# Allegro board FMDEMOD-Long.brd (continued)
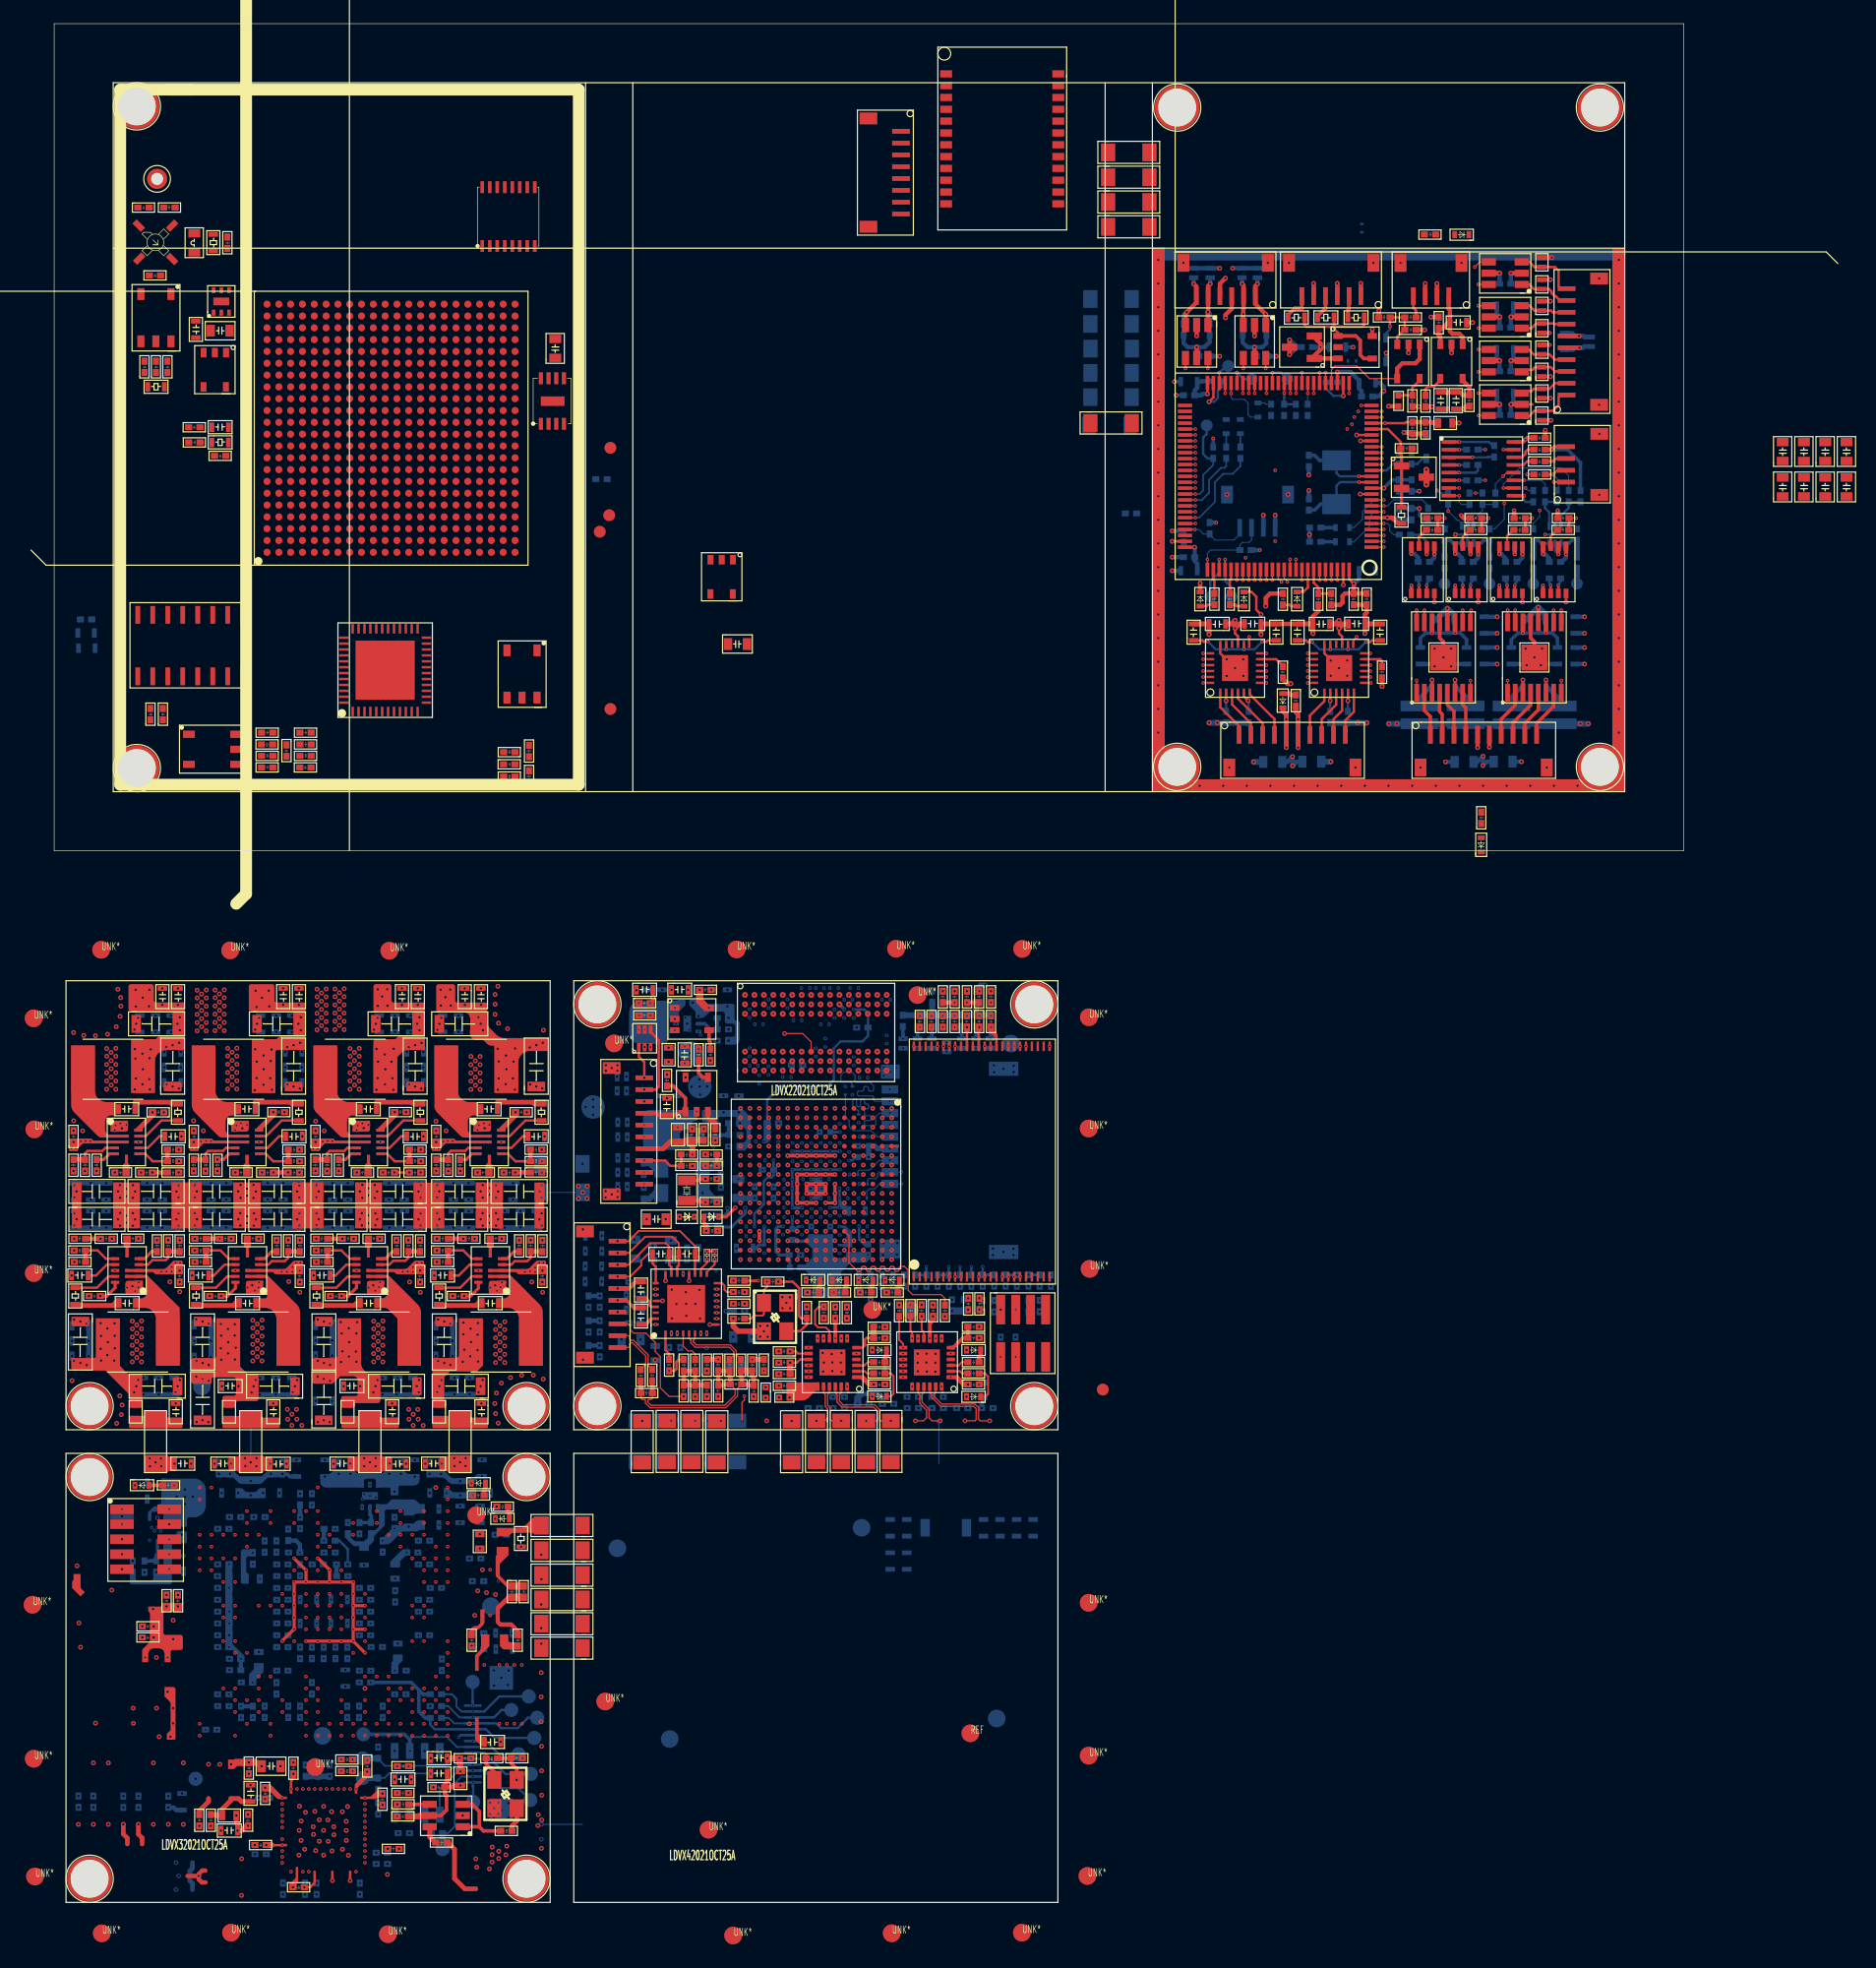
[diagram p0: board, top side]
## Placement (name value [footprint] x y rotation side) (continued)
R189  10K  [R0402]  98.1 44.6 270 bottom
R191  49.9  [R0402]  39.96 8.93 270 top
R192  33  [R0402]  39.03 8.6 180 top
R193  DNP  [R0402]  17.53 8.75 0 top
R194  33  [R0402]  21.77 9.25 180 top
R195  DNP  [R0402]  18.52 8.28 180 top
R196  33  [R0402]  21.77 8.28 180 top
R197  33  [R0402]  39.03 6.53 180 top
R198  49.9  [R0402]  39.96 6.78 270 top
R199  10K  [R0201]  66.35 -11.78 180 bottom
R200  10K  [R0201]  64.54 -11.48 0 bottom
R201  240  [R0201]  66.95 -12.45 0 bottom
R202  DNP  [R0402]  54.1 -13.1 180 bottom
R203  240  [R0201]  67.05 -13.49 270 bottom
R204  51.1K  [R0402]  56.13 -13.91 0 bottom
R205  47K  [R0402]  79.53 -13.91 270 bottom
R206  47K  [R0402]  78.31 -13.91 270 bottom
R207  47K  [R0402]  77.08 -13.91 270 bottom
R208  47K  [R0402]  74.6 -13.91 270 bottom
R209  47K  [R0402]  73.36 -13.91 270 bottom
R210  47K  [R0402]  72.12 -13.91 270 bottom
R211  470  [R0201]  65.58 -14.83 180 bottom
R212  40.2K  [R0402]  57.12 -15.36 180 bottom
R213  10K  [R0201]  70.65 -15.67 270 bottom
R214  51.1K  [R0402]  57.12 -16.33 180 bottom
R215  1.5K  [R0201]  64.63 -19.97 270 bottom
R216  1.5K  [R0201]  63.72 -20.58 90 bottom
R217  22  [R0201]  67.45 -20.6 90 bottom
R218  22  [R0201]  67.16 -19.99 270 bottom
R219  DNP  [R0402]  55.17 -22.52 180 bottom
R220  22  [R0201]  67.97 -22.97 90 bottom
R221  51.1K  [R0402]  57.1 -22.81 0 bottom
R222  40.2K  [R0402]  58.09 -24.3 180 bottom
R223  240  [R0201]  61.17 -25.27 90 bottom
R224  51.1K  [R0402]  58.09 -25.28 180 bottom
R225  100K  [R1206]  41.4 -25.7 0 bottom
R226  10K  [R0402]  56.21 -27.41 90 bottom
R227  JMP  [R1206]  51.56 -26.11 0 bottom
R228  1K  [R0402]  50.17 -26.42 270 bottom
R229  22  [R0201]  67.42 -27.24 0 bottom
R230  22  [R0201]  68.22 -28.04 0 bottom
R231  0  [R1206]  44.62 -29.71 180 bottom
R232  10K  [R0402]  56.71 -28.48 270 bottom
R233  JMP  [R1206]  51.56 -28.17 0 bottom
R234  1K  [R0402]  49.67 -29.47 90 bottom
R235  22  [R0201]  68.17 -29.25 0 bottom
R236  47K  [R0402]  84.15 -36.87 90 bottom
R237  47K  [R0402]  83.2 -36.87 90 bottom
R238  1K  [R0402]  82.75 -35.88 270 bottom
R239  47K  [R0402]  81.27 -36.87 90 bottom
R240  DNP  [R0402]  80.83 -35.88 270 bottom
R241  DNP  [R0402]  79.86 -35.88 270 bottom
R242  47K  [R0402]  78.38 -36.87 90 bottom
R243  47K  [R0402]  77.42 -36.87 90 bottom
R244  47K  [R0402]  76.47 -36.87 90 bottom
R245  DNP  [R0402]  75.51 -36.87 90 bottom
R246  47K  [R0402]  74.56 -36.87 90 bottom
R247  47K  [R0402]  73.61 -36.87 90 bottom
R248  DNP  [R0402]  72.66 -36.87 90 bottom
R249  47K  [R0402]  71.72 -36.87 90 bottom
R250  47K  [R0402]  70.79 -36.87 90 bottom
R251  47K  [R0402]  69.84 -36.87 90 bottom
R252  47K  [R0402]  68.88 -36.87 90 bottom
R253  47K  [R0402]  67.91 -36.87 90 bottom
R254  10K  [R0402]  46.44 -37.66 270 bottom
R255  10K  [R0402]  76.78 -38.95 90 bottom
R256  47K  [R0402]  68.88 -38.96 90 bottom
R257  10K  [R0402]  75.78 -38.96 90 bottom
R258  1K  [R0402]  83.7 -38.04 270 bottom
R259  47K  [R0402]  82.25 -39.03 90 bottom
R260  10K  [R0402]  81.29 -39.03 90 bottom
R261  47K  [R0402]  79.36 -39.03 90 bottom
R262  47K  [R0402]  78.38 -39.03 90 bottom
R263  0  [R0402]  58.48 -39.2 180 bottom
R264  10K  [R0402]  45.5 -39.76 270 bottom
R265  1K  [R0402]  70.36 -41.48 180 bottom
R266  1K  [R0402]  81.16 -42.13 90 bottom
R267  1K  [R0402]  79.9 -42.13 90 bottom
R268  10K  [R0402]  46.44 -41.86 270 bottom
R269  NC  [R0402]  45.5 -41.86 270 bottom
R270  1K  [R0402]  70.36 -44.47 180 bottom
R271  12.1K  [R0402]  74.32 -45.97 0 bottom
R272  12.1K  [R0402]  65.94 -45.97 0 bottom
R273  49.9  [R0402]  71.11 -47.06 180 bottom
R274  49.9  [R0402]  69.01 -47.06 180 bottom
R275  49.9  [R0402]  79.51 -47.42 180 bottom
R276  49.9  [R0402]  77.39 -47.42 180 bottom
R277  49.9  [R0402]  75.31 -47.42 180 bottom
R278  49.9  [R0402]  73.2 -47.42 180 bottom
R279  49.9  [R0402]  66.93 -47.42 180 bottom
R280  49.9  [R0402]  64.81 -47.42 180 bottom
R281  DNP  [R1206]  68.03 -51.61 90 bottom
R282  0  [R1206]  58.66 -48.39 270 bottom
R283  0  [R1206]  54.91 -51.61 90 bottom
R284  0  [R1206]  54.4 -48.39 270 bottom
R285  0  [R1206]  52.32 -48.39 270 bottom
R286  0  [R1206]  50.21 -48.39 270 bottom
R287  0  [R1206]  35.18 -48.41 270 bottom
R288  0  [R1206]  27.55 -48.41 270 bottom
R289  0  [R1206]  17.45 -48.41 270 bottom
R290  0  [R1206]  9.39 -48.41 270 bottom
R291  560  [R0603]  109.47 42.22 180 bottom
R292  DNP  [R0402]  28.57 -55.21 90 bottom
R293  10K  [R0402]  22.07 -54.4 270 bottom
R294  0  [R0402]  21.07 -54.4 270 bottom
R295  DNP  [R0402]  21.07 -56.4 270 bottom
R296  0  [R1206]  91.09 45.89 180 bottom
R297  1K,1%  [R0603]  105.99 45.54 180 top
R298  1K,1%  [R0603]  108.49 45.54 180 top
R299  1K,1%  [R0603]  111.05 45.54 180 top
R300  33  [R0603]  79.7 -58.1 90 bottom
R301  33  [R0603]  78.3 -58.1 90 bottom
R302  33  [R0603]  71.8 -58.1 90 bottom
R303  33  [R0603]  70.4 -58.1 90 bottom
R304  51.1K  [R0402]  27.08 -56.83 270 bottom
R305  40.2K  [R0402]  25.6 -57.82 90 bottom
R306  51.1K  [R0402]  24.63 -57.82 90 bottom
R307  DNP  [R0402]  23.81 -57.64 180 bottom
R308  DNP  [R0402]  14.92 50.97 90 top
R309  10K  [R0402]  106.4 37.8 270 bottom
R310  DNP  [R0402]  19.57 -58.39 90 bottom
R311  0  [R0402]  22.82 -58.13 0 bottom
R312  0  [R1206]  91.09 43.79 180 bottom
R313  0  [R0402]  19.83 -59.13 0 bottom
R314  DNP  [R0402]  23.89 -60.14 0 bottom
R315  51.1K  [R0402]  8.89 -60.08 270 bottom
R316  40.2K  [R0402]  7.39 -61.07 90 bottom
R317  51.1K  [R0402]  6.4 -61.07 90 bottom
R318  0  [R1206]  91.11 41.7 180 bottom
R319  0  [R0402]  24.88 -61.64 180 bottom
R320  560  [R0603]  114.5 27.6 90 top
R321  4.7K  [R0402]  117 52.4 180 top
R322  33  [R0402]  125 23.9 90 bottom
R323  10K  [R0402]  115.2 33.7 270 bottom
R324  DNP  [R0402]  125.5 27.25 270 bottom
R325  0  [R1206]  91.1 39.64 180 bottom
R327  6.8K  [R0402]  121.1 2.3 90 top
R328  10K  [R0402]  97.9 33.2 90 bottom
R329  33  [R0402]  121.3 23.9 90 bottom
R330  33  [R0402]  128.7 23.9 90 bottom
R331  DNP  [R0402]  121.8 27.25 270 bottom
R332  DNP  [R0402]  129.2 27.25 270 bottom
R333  0  [R1206]  91.09 37.59 180 bottom
R334  DNP  [R0402]  125 29.51 90 bottom
R335  0  [R0402]  118.3 30.29 270 bottom
R336  33  [R0402]  117.5 23.9 90 bottom
R338  DNP  [R0402]  118 27.25 270 bottom
R339  10  [R0402]  116.2 26.9 0 top
R340  10  [R0402]  127.3 26.9 0 top
R341  10  [R0402]  123.6 26.9 0 top
R342  10  [R0402]  119.9 26.9 0 top
R343  0  [R0402]  107.3 20.8 90 top
R344  DNP  [R0402]  108.4 20.8 90 top
R345  0  [R0402]  127.5 30.5 270 bottom
R346  DNP  [R0402]  126.5 30.5 270 bottom
R347  0  [R0402]  128.5 30.5 270 bottom
R348  DNP  [R0402]  129.5 30.5 270 bottom
R349  DNP  [R0402]  122.3 30.29 270 bottom
R350  0  [R0402]  121.2 30.29 270 bottom
R351  10K  [R0402]  21.57 -71.38 90 bottom
R352  1K  [R0402]  31.83 -71.14 0 bottom
R353  1K  [R0402]  31.83 -72.14 0 bottom
R355  10K  [R0402]  15.57 -73.37 90 bottom
R356  1K  [R0402]  31.83 -73.14 0 bottom
R357  10K  [R0402]  27.19 -76.82 90 bottom
R358  2.05K,1%  [R0402]  126.6 23.3 0 bottom
R359  2.05K,1%  [R0402]  122.9 23.3 0 bottom
R360  2.05K,1%  [R0402]  119.2 23.3 0 bottom
R361  2.05K,1%  [R0402]  115.5 23.3 0 bottom
R362  10K  [R0402]  27.69 -78.46 270 bottom
R363  0  [R0402]  103.8 15.6 270 top
R364  10  [R0603]  10.43 -81.28 90 bottom
R365  51  [R0402]  6.88 -80.97 90 bottom
R366  51  [R0402]  5.61 -80.97 90 bottom
R367  51  [R0402]  2.31 -79.99 270 bottom
R368  0  [R0402]  125.3 31.6 0 top
R369  DNP  [R0402]  119.6 29.3 90 bottom
R370  0  [R0402]  99.5 11.8 270 bottom
R371  DNP  [R0402]  125.3 33.7 0 top
R372  0  [R0402]  125.3 32.7 0 top
R373  0  [R0402]  101.4 11.8 270 bottom
R374  1K  [R0402]  104.3 20.8 90 top
R375  10K  [R0402]  32.9 -83.39 180 bottom
R376  0  [R1206]  91 35.2 180 bottom
R377  10K  [R0402]  100.9 44.6 270 bottom
R378  10K  [R0402]  102.9 44.6 270 bottom
R379  6.8K  [R0402]  104.9 13.2 270 top
REF  -  [unnamed#2]  77.58 -74.69 0 top
T1  M3295NL  [SMD-M3295NL]  75.3 67.8 270 top
T2  ETC1-1T-2TR  [SM-22]  10.52 47.02 180 top
T3  ETC1-1T-2TR  [SM-22]  41.53 16.86 180 top
T4  ETC1-1T-2TR  [SM-22]  11.51 10.5 270 top
TP1  T POINT R  [TP_SMD_CIR_1D0]  104.42 39.93 180 bottom
TP2  T POINT R  [TP_SMD_CIR_1D0]  101.42 39.93 180 bottom
TP3  T POINT R  [TP_THR_CIR_1D7_1D0]  8.71 56.86 0 top
TP4  T POINT R  [TP_SMD_CIR_1D0]  99.42 41.03 180 bottom
TP5  T POINT R  [TP_SMD_CIR_2D0]  50.22 -15.05 180 bottom
TP6  T POINT R  [TP_SMD_CIR_2D0]  53.89 -17.13 180 bottom
TP7  T POINT R  [TP_SMD_CIR_2D0]  54.67 -19.96 180 bottom
TP8  T POINT R  [TP_SMD_CIR_2D0]  45.64 -21.68 180 bottom
TP9  T POINT R  [TP_SMD_CIR_2D0]  51.46 -24.09 180 bottom
TP10  T POINT R  [TP_SMD_CIR_2D0]  65.38 -36.81 180 bottom
TP11  T POINT R  [TP_SMD_CIR_2D0]  11.07 -54.68 180 bottom
TP12  T POINT R  [TP_SMD_CIR_2D0]  5.74 -56.32 180 bottom
TP13  T POINT S  [TP_SMD_CIR_1D2]  35.44 -70.34 180 bottom
TP14  T POINT S  [TP_SMD_CIR_1D2]  40.19 -71.57 180 bottom
TP15  T POINT S  [TP_SMD_CIR_1D2]  38.7 -72.72 180 bottom
TP16  T POINT S  [TP_SMD_CIR_1D2]  40.9 -73.37 180 bottom
TP17  T POINT S  [TP_SMD_CIR_1D2]  26.19 -74.77 180 bottom
TP18  T POINT S  [TP_SMD_CIR_1D2]  40.66 -75.08 180 bottom
TP19  T POINT S  [TP_SMD_CIR_1D2]  39.32 -76.46 180 bottom
TP20  T POINT S  [TP_SMD_CIR_1D2]  26.12 -76.81 180 bottom
TP21  T POINT S  [TP_SMD_CIR_1D2]  40.37 -78.13 180 bottom
TP22  T POINT S  [TP_SMD_CIR_1D2]  26.13 -78.48 180 bottom
TP23  T POINT S  [TP_SMD_CIR_1D2]  11.98 -78.54 180 bottom
TP24  T POINT S  [TP_SMD_CIR_1D2]  40.32 -80.34 180 bottom
TP25  T POINT S  [TP_SMD_CIR_1D2]  35.48 -80.5 180 bottom
TP26  T POINT S  [TP_SMD_CIR_1D2]  32.89 -84.5 180 bottom
TP27  T POINT R  [SCREW-M3]  7 63 0 top
TP28  T POINT R  [SCREW-M3]  7 7 0 top
TP29  T POINT R  [SCREW-M3]  3 -47 0 top
TP30  T POINT R  [SCREW-M3]  40 -47 0 top
TP31  T POINT R  [SCREW-M3]  46 -13 0 top
TP32  T POINT R  [SCREW-M3]  83 -13 0 top
TP33  T POINT R  [SCREW-M3]  46 -47 0 top
TP34  T POINT R  [SCREW-M3]  83 -47 0 top
TP35  T POINT R  [SCREW-M3]  95.1 62.9 0 top
TP36  T POINT R  [SCREW-M3]  130.9 62.9 0 top
TP37  T POINT R  [SCREW-M3]  95.1 7.1 0 top
TP38  T POINT R  [SCREW-M3]  130.9 7.1 0 top
TP39  T POINT R  [SCREW-M3]  40 -87 0 top
TP40  T POINT R  [SCREW-M3]  3 -87 0 top
TP41  T POINT R  [SCREW-M3]  3 -53 0 top
TP42  T POINT R  [SCREW-M3]  40 -53 0 top
TP43  T POINT R  [TP_SMD_CIR_1D0]  97.6 36 180 bottom
TP44  T POINT R  [TP_SMD_CIR_1D0]  47.1 34.1 0 top
TP45  T POINT R  [TP_SMD_CIR_1D0]  88.8 -45.6 0 top
TP46  T POINT R  [TP_SMD_CIR_1D0]  47.1 12 0 top
TP47  T POINT R  [TP_SMD_CIR_1D0]  99.7 21.5 180 bottom
TP48  T POINT R  [TP_SMD_CIR_1D0]  97.9 21.5 180 bottom
TP49  T POINT R  [TP_SMD_CIR_1D0]  47 28.4 0 top
TP50  T POINT R  [TP_SMD_CIR_1D0]  46.2 27 0 top
TP51  T POINT R  [TP_SMD_CIR_1D0]  117.75 22.6 180 bottom
TP52  T POINT R  [TP_SMD_CIR_1D0]  128.95 22.6 180 bottom
TP53  T POINT R  [TP_SMD_CIR_1D0]  125.25 22.6 180 bottom
TP54  T POINT R  [TP_SMD_CIR_1D0]  121.55 22.6 180 bottom
U1  SGM2028-3.3  [SOT-23-5]  54 -14.24 270 top
U2  NT5CC256M16EP-EK  [VFBGA-96]  58.5 -18.6 90 top
U3  SN74LVC2G34DRL  [SOT-6]  49.51 -16.61 90 top
U4  SY6280AAAC  [SOT-23-5]  54.41 -20.63 0 top
U5  MP2326GD  [QFN-14]  6.12 -24.65 0 top
U6  MP2326GD  [QFN-14]  16.33 -24.65 0 top
U7  MP2326GD  [QFN-14]  26.61 -24.65 0 top
U8  MP2326GD  [QFN-14]  36.85 -24.65 0 top
U9  MT29F4G08ABADAWP-IT  [TSOP-48]  78.6 -26.3 90 top
U10  MCIMX6Y2CVM05AB  [MAPBGA-289]  70.92 -21.8 270 top
U11  MP2326GD  [QFN-14]  6.17 -35.52 180 top
U12  MP2326GD  [QFN-14]  16.36 -35.52 180 top
U13  MP2326GD  [QFN-14]  26.61 -35.52 180 top
U14  MP2326GD  [QFN-14]  36.93 -35.52 180 top
U15  WM8960CGEFL/V  [QFN-32]  53.52 -38.34 90 top
U16  LAN8720Ai-CP-TR  [QFN-24]  65.9 -43.3 180 top
U17  LAN8720Ai-CP-TR  [QFN-24]  73.9 -43.3 180 top
U18  TPA711  [MSOP-8-PAD]  41.22 39.75 0 top
U19  STM32F103VET6  [LQFP-100]  103.66 31.69 90 top
U20  EP4CE40F23I7  [FBGA-484]  18.02 25.26 90 top
U21  SGM2028-3.3  [SOT-23-5]  118.33 41.41 180 top
U22  MCP6001T-I/OT  [SOT-23-5]  114.69 41.41 180 top
U23  SGM2028-3.3  [SOT-23-5]  13.61 40.71 180 top
U24  PCM1754  [SSOP-16]  40.95 50.58 90 top
U25  SN74LVC2G34DBVR  [SOT-23-6]  102.6 44.5 270 top
U26  DRV8848PWPR  [HTSSOP-16]  117.65 16.36 90 top
U27  DRV8848PWPR  [HTSSOP-16]  125.35 16.36 90 top
U28  DRV8846RGER  [VQFN-24]  108.81 15.46 90 top
U29  SGM2028-3.3  [SOT-23-5]  56.53 23.18 180 top
U30  AD8306AR  [SO-16]  11.53 17.36 180 top
U31  SN74LVC2G34DBVR  [SOT-23-6]  97.7 44.5 270 top
U32  SN74LVC2G34DBVR  [SOT-23-6]  34.6 -82.6 180 top
U33  LTC2207  [QFN-48]  28.03 15.29 90 top
U34  TPS74601PBQWDRVRQ1  [WSON-6]  53.61 -14.64 180 bottom
U35  TPS74601PBQWDRVRQ1  [WSON-6]  54.67 -24.1 180 bottom
U36  TPS74601PBQWDRVRQ1  [WSON-6]  26.74 -54.59 90 bottom
U37  MCP6001T-I/OT  [SOT-23-5]  110.17 42.62 270 top
U38  TPS74601PBQWDRVRQ1  [WSON-6]  14.15 46.49 90 top
U39  TL431AIDBZT  [SOT-23-3]  113.8 30.1 0 top
U40  TL431AIDBZT  [SOT-23-3]  107.01 44.14 180 top
U41  SN74LVC2G34DRL  [SOT-6]  127.6 26 90 bottom
U42  SN74LVC2G34DRL  [SOT-6]  119.2 27.51 270 bottom
U43  AD8226ARMZ  [MSOP-8]  125.45 21.2 0 top
U44  AD8226ARMZ  [MSOP-8]  121.76 21.2 0 top
U45  AD8226ARMZ  [MSOP-8]  118.01 21.2 0 top
U46  AD8226ARMZ  [MSOP-8]  114.3 21.2 0 top
U47  SP3232EEY  [TSSOP-16]  123.6 34.6 270 top
U48  DRV8846RGER  [VQFN-24]  100 15.46 90 top
U49  EPCQ16ASI8N  [SO-8]  32.65 -76.18 180 bottom
U50  SN74LVC2G34DBVR  [SOT-23-6]  124.28 44.23 180 top
U51  SN74LVC2G34DBVR  [SOT-23-6]  124.28 47.93 180 top
U52  SN74LVC2G34DBVR  [SOT-23-6]  124.28 36.83 180 top
U53  SN74LVC2G34DBVR  [SOT-23-6]  124.28 40.53 180 top
UNK3VBATTERY1  COIN_3V  [C0805]  51.98 -30.56 180 top
UNK*  -  [unnamed#2]  87.61 -76.58 0 top
UNK*#2  -  [unnamed#2]  22.1 -77.54 0 top
UNK*#3  -  [unnamed#2]  28.38 -8.46 0 top
UNK*#4  -  [unnamed#2]  87.69 -35.38 0 top
UNK*#5  -  [unnamed#2]  28.26 -91.69 0 top
UNK*#6  -  [unnamed#2]  57.5 -91.8 0 top
UNK*#7  -  [unnamed#2]  46.66 -72 0 top
UNK*#8  -  [unnamed#2]  -1.75 -14.18 0 top
UNK*#9  -  [unnamed#2]  81.95 -91.56 0 top
UNK*#10  -  [unnamed#2]  4.03 -91.62 0 top
UNK*#11  -  [unnamed#2]  -1.84 -63.81 0 top
UNK*#12  -  [unnamed#2]  55.41 -82.85 0 top
UNK*#13  -  [unnamed#2]  69.28 -38.86 0 top
UNK*#14  -  [unnamed#2]  73.11 -12.21 0 top
UNK*#15  -  [unnamed#2]  87.5 -86.76 0 top
UNK*#16  -  [unnamed#2]  47.41 -16.3 0 top
UNK*#17  -  [unnamed#2]  71.3 -8.29 0 top
UNK*#18  -  [unnamed#2]  87.61 -63.64 0 top
UNK*#19  -  [unnamed#2]  87.61 -23.51 0 top
UNK*#20  -  [unnamed#2]  -1.73 -35.74 0 top
UNK*#21  -  [unnamed#2]  35.74 -56.23 0 top
UNK*#22  -  [unnamed#2]  -1.73 -76.84 0 top
UNK*#23  -  [unnamed#2]  14.9 -8.43 0 top
UNK*#24  -  [unnamed#2]  -1.63 -86.81 0 top
UNK*#25  -  [unnamed#2]  87.62 -14.09 0 top
UNK*#26  -  [unnamed#2]  3.97 -8.38 0 top
UNK*#27  -  [unnamed#2]  -1.68 -23.58 0 top
UNK*#28  -  [unnamed#2]  57.79 -8.35 0 top
UNK*#29  -  [unnamed#2]  81.97 -8.3 0 top
UNK*#30  -  [unnamed#2]  70.92 -91.61 0 top
UNK*#31  -  [unnamed#2]  14.97 -91.56 0 top
UNK*#32  -  [unnamed#2]  57.79 -8.35 180 bottom
UNK*#33  -  [unnamed#2]  87.6 -23.5 180 bottom
UNK*#34  -  [unnamed#2]  -1.84 -63.81 180 bottom
UNK*#35  -  [unnamed#2]  87.5 -86.75 180 bottom
UNK*#36  -  [unnamed#2]  52.12 -75.17 180 bottom
UNK*#37  -  [unnamed#2]  -1.74 -14.18 180 bottom
UNK*#38  -  [unnamed#2]  -1.73 -35.74 180 bottom
UNK*#39  -  [unnamed#2]  26.65 -30.04 180 bottom
UNK*#40  -  [unnamed#2]  3.97 -8.38 180 bottom
UNK*#41  -  [unnamed#2]  81.95 -91.56 180 bottom
UNK*#42  -  [unnamed#2]  81.01 -16.32 180 bottom
UNK*#43  -  [unnamed#2]  79.81 -73.44 180 bottom
UNK*#44  -  [unnamed#2]  71.29 -8.29 180 bottom
UNK*#45  -  [unnamed#2]  -1.73 -76.84 180 bottom
UNK*#46  -  [unnamed#2]  87.68 -35.38 180 bottom
UNK*#47  -  [unnamed#2]  28.38 -8.47 180 bottom
UNK*#48  -  [unnamed#2]  28.26 -91.69 180 bottom
UNK*#49  -  [unnamed#2]  87.61 -76.58 180 bottom
UNK*#50  -  [unnamed#2]  4.03 -91.62 180 bottom
UNK*#51  -  [unnamed#2]  87.61 -63.64 180 bottom
UNK*#52  -  [unnamed#2]  68.38 -57.29 180 bottom
UNK*#53  -  [unnamed#2]  87.63 -14.09 180 bottom
UNK*#54  -  [unnamed#2]  81.97 -8.3 180 bottom
UNK*#55  -  [unnamed#2]  72.47 -38.84 180 bottom
UNK*#56  -  [unnamed#2]  57.49 -91.8 180 bottom
UNK*#57  -  [unnamed#2]  22.73 -74.91 180 bottom
UNK*#58  -  [unnamed#2]  12.5 -45.33 180 bottom
UNK*#59  -  [unnamed#2]  -1.62 -86.81 180 bottom
UNK*#60  -  [unnamed#2]  16.31 -30.04 180 bottom
UNK*#61  -  [unnamed#2]  14.97 -91.56 180 bottom
UNK*#62  -  [unnamed#2]  47.7 -59.03 180 bottom
UNK*#63  -  [unnamed#2]  70.92 -91.61 180 bottom
UNK*#64  -  [unnamed#2]  36.99 -63.94 180 bottom
UNK*#65  -  [unnamed#2]  14.9 -8.43 180 bottom
UNK*#66  -  [unnamed#2]  -1.68 -23.58 180 bottom
Y1  32.768KHz  [FC-12M]  54.18 -29.81 90 top
Y2  24MHz  [TSX-3225-4P]  59.8 -37.83 270 top
Y3  8MHz  [CRY5032]  110.1 33.7 270 bottom
Y4  KC3225A49.1520C30E00  [TSX-3225-4P]  36.97 -78.2 270 top

## Library data of the parts
A1 = ERA-2SM
C1-C21 C23-C82 C84-C96 C98-C135 C137 C140-C142 C144 C147 C148 C150-C152 C154 C156 C163 C165-C167 C169 C170 C174 C177-C181 C184-C188 C190-C194 C196 C198-C202 C204-C210 C212-C214 C217 C218 C245-C478 C480-C491 C496-C524 C526 C527 C529-C531 C533 C534 C539-C545 C548-C552 C554-C559 C561-C572 C574 C575 C577-C603 C607-C616 C637-C643 C648 C649 = CAP NP
C22 C136 C138 C139 C143 C145 C146 C149 C153 C155 C157-C162 C164 C168 C171-C173 C175 C176 C189 C203 C211 C215 C216 C221 C479 C492-C495 C525 C532 C535-C538 C546 C553 C573 C604-C606 C644-C647 = CAP NP: signal model: DEFAULT_CAPACITOR_100000pF_2_1
C83 C97 = CAP
C219 C242 C243 C617 = CAP NP: signal model: DEFAULT_CAPACITOR_1e+06pF_2_1
C220 C222 C244 = CAP NP: signal model: DEFAULT_CAPACITOR_8.200000pF_2_1
D1 D2 = RB521S-30
D3-D17 D19-D21 D41-D43 D56 = LED
D18 D40 = 1N4148WT
D22 D24-D39 D44 D45 D47-D50 D52-D55 = DIODE BI-DIR TRIG
J1 J2 = HEADER1X10
J3 = HEADER-2X4
J4 = HEADER-2X5P
J5 = MicroSDSlot
J6 = HEADER1X8_0
J7 J15 = HEADER1x6_1
J9 = FPC-14P-0.5
J14 J18 J19 = HEADER-1X10
J16 J20 J21 = HEADER-1X4
L1 L6 L11-L18 L20-L41 = BEAD
L2-L5 L7-L10 = INDUCTOR
L19 = INDUCTOR: signal model: DEFAULT_INDUCTOR_1000nH_2_1
R1-R9 R21 R48 R73 R74 R79-R85 R90-R100 R107 R108 R121-R128 R199-R201 R203 R205-R211 R213 R215-R218 R220 R223 R226 R228-R230 R232 R234 R236-R280 R300-R303 = R_2
R10-R20 R22-R47 R49-R72 R75-R78 R86-R89 R101-R106 R109-R117 R119 R120 R129-R141 R143-R147 R149-R154 R156 R157 R166 R167 R169-R173 R176-R178 R180-R184 R186-R189 R202 R204 R212 R214 R219 R221 R222 R224 R225 R227 R231 R233 R281-R293 R296-R299 R304-R306 R308 R309 R312 R315-R318 R320-R325 R327-R336 R338-R351 R355 R357-R363 R368-R379 = R
R142 R191 R198 = R: signal model: DEFAULT_RESISTOR_49.900000OHM_2_1
R148 R161 R162 R185 R364-R367 = R: signal model: DEFAULT_RESISTOR_39.000000OHM_2_1
R174 R192-R197 R294 R295 R307 R310 R311 R313 R314 R319 R352 R353 R356 = R: signal model: DEFAULT_RESISTOR_22.000000OHM_2_1
R235 = R_2: signal model: R_R0201_DISCRETE_22_22
T1 = M3295NL
T2-T4 = ADT2-1T+_0
TP1-TP12 TP27-TP54 = T POINT R
TP13-TP26 = T POINT S
U1 U21 U23 U29 = SGM2028-3.3
U2 = NT5CC256M16EP-EK
U3 U25 U31 U41 U42 U50-U53 = SN74LVC2G34DRL
U4 = SY6280AAAC
U5-U8 U11-U14 = MP2326GD
U9 = MT29F4G08ABADAWP-IT_0
U10 = MCIMX6Y2CVM05AB_0
U15 = WM8960_0
U16 U17 = LAN8720A
U18 = TPA711
U19 = STM32F103VET6
U20 = EP4CE40F23I7_6
U22 U37 = MCP6001T-I/OT
U24 = PCM1754
U26 U27 = DRV8848PWPR
U28 U48 = DRV8846RGER
U30 = AD8306AR_0
U32 = SN74LVC2G34DBV
U33 = LTC2207
U34-U36 U38 = TPS74601PBQWDRVRQ1
U39 U40 = TL431AIDBZT
U43-U46 = AD8226ARMZ
U47 = SP3232EEY
U49 = EPCS4SI8N_0
UNK3VBATTERY1 = BATTERY
Y1 Y3 = CRYSTAL
Y2 = Crystal
Y4 = OSCILLATOR

## Footprints (pads in the part's own frame, mm; a bottom-side part is the same pattern mirrored in y, then rotated)
C0201
  rect 0.2x0.3 smd: 1(-0.05,0.15) 2(0.65,0.15)
C0402
  rect 0.6x0.5 smd: 1(0.01,0.25) 2(0.97,0.25)
C0603
  rect 0.4x0.8 smd: 1(0.1,0.4) 2(1.5,0.4)
C0805
  rect 0.7x1 smd: 1(0.2,0.62) 2(1.8,0.62)
C1206
  rect 0.8x1.5 smd: 1(-0.15,0.79) 2(3.35,0.79)
CD54-IND-2P
  rect 2x4 smd: 1(0,2.54) 2(5.08,2.54)
CRY5032
  rect 1.7x2.4 smd: 1(0.66,1.51) 2(4.36,1.51)
DF1006
  rect 0.4x0.8 smd: 1(0.1,0.3) 2(0.9,0.3)
ERA-2SM
  rect 1x0.5 smd: 1(-2,0) 3(2,0)
  rect 0.5x1 smd: 2(0,-1.945) 4(0,2)
FB0402
  rect 0.5x0.5 smd: 1(0.05,0.24) 2(0.95,0.24)
FB0603
  rect 0.5x0.8 smd: 1(0.2,0.4) 2(1.4,0.4)
FBGA-484
  round 0.6 smd: A1(0,0) A2(1,0) A3(2,0) A4(3,0) A5(4,0) A6(5,0) A7(6,0) A8(7,0) A9(8,0) A10(9,0) A11(10,0) A12(11,0) A13(12,0) A14(13,0) A15(14,0) A16(15,0) A17(16,0) A18(17,0) A19(18,0) A20(19,0) A21(20,0) A22(21,0) AA1(0,-20) AA2(1,-20) AA3(2,-20) AA4(3,-20) AA5(4,-20) AA6(5,-20) AA7(6,-20) AA8(7,-20) AA9(8,-20) AA10(9,-20) AA11(10,-20) AA12(11,-20) AA13(12,-20) AA14(13,-20) AA15(14,-20) AA16(15,-20) AA17(16,-20) AA18(17,-20) AA19(18,-20) AA20(19,-20) AA21(20,-20) AA22(21,-20) AB1(0,-21) AB2(1,-21) AB3(2,-21) AB4(3,-21) AB5(4,-21) AB6(5,-21) AB7(6,-21) AB8(7,-21) AB9(8,-21) AB10(9,-21) AB11(10,-21) AB12(11,-21) AB13(12,-21) AB14(13,-21) AB15(14,-21) AB16(15,-21) AB17(16,-21) AB18(17,-21) AB19(18,-21) AB20(19,-21) AB21(20,-21) AB22(21,-21) B1(0,-1) B2(1,-1) B3(2,-1) B4(3,-1) B5(4,-1) B6(5,-1) B7(6,-1) B8(7,-1) B9(8,-1) B10(9,-1) B11(10,-1) B12(11,-1) B13(12,-1) B14(13,-1) B15(14,-1) B16(15,-1) B17(16,-1) B18(17,-1) B19(18,-1) B20(19,-1) B21(20,-1) B22(21,-1) C1(0,-2) C2(1,-2) C3(2,-2) C4(3,-2) C5(4,-2) C6(5,-2) C7(6,-2) C8(7,-2) C9(8,-2) C10(9,-2) C11(10,-2) C12(11,-2) C13(12,-2) C14(13,-2) C15(14,-2) C16(15,-2) C17(16,-2) C18(17,-2) C19(18,-2) C20(19,-2) C21(20,-2) C22(21,-2) D1(0,-3) D2(1,-3) D3(2,-3) D4(3,-3) D5(4,-3) D6(5,-3) D7(6,-3) D8(7,-3) D9(8,-3) D10(9,-3) D11(10,-3) D12(11,-3) D13(12,-3) D14(13,-3) D15(14,-3) D16(15,-3) D17(16,-3) D18(17,-3) D19(18,-3) D20(19,-3) D21(20,-3) D22(21,-3) E1(0,-4) E2(1,-4) E3(2,-4) E4(3,-4) E5(4,-4) E6(5,-4) E7(6,-4) E8(7,-4) E9(8,-4) E10(9,-4) E11(10,-4) E12(11,-4) E13(12,-4) E14(13,-4) E15(14,-4) E16(15,-4) E17(16,-4) E18(17,-4) E19(18,-4) E20(19,-4) E21(20,-4) E22(21,-4) F1(0,-5) F2(1,-5) F3(2,-5) F4(3,-5) F5(4,-5) F6(5,-5) F7(6,-5) F8(7,-5) F9(8,-5) F10(9,-5) F11(10,-5) F12(11,-5) F13(12,-5) F14(13,-5) F15(14,-5) F16(15,-5) F17(16,-5) F18(17,-5) F19(18,-5) F20(19,-5) F21(20,-5) F22(21,-5) G1(0,-6) G2(1,-6) G3(2,-6) G4(3,-6) G5(4,-6) G6(5,-6) G7(6,-6) G8(7,-6) G9(8,-6) G10(9,-6) G11(10,-6) G12(11,-6) G13(12,-6) G14(13,-6) G15(14,-6) G16(15,-6) G17(16,-6) G18(17,-6) G19(18,-6) G20(19,-6) G21(20,-6) G22(21,-6) H1(0,-7) H2(1,-7) H3(2,-7) H4(3,-7) H5(4,-7) H6(5,-7) H7(6,-7) H8(7,-7) H9(8,-7) H10(9,-7) H11(10,-7) H12(11,-7) H13(12,-7) H14(13,-7) H15(14,-7) H16(15,-7) H17(16,-7) H18(17,-7) H19(18,-7) H20(19,-7) H21(20,-7) H22(21,-7) J1(0,-8) J2(1,-8) J3(2,-8) J4(3,-8) J5(4,-8) J6(5,-8) J7(6,-8) J8(7,-8) J9(8,-8) J10(9,-8) J11(10,-8) J12(11,-8) J13(12,-8) J14(13,-8) J15(14,-8) J16(15,-8) J17(16,-8) J18(17,-8) J19(18,-8) J20(19,-8) J21(20,-8) J22(21,-8) K1(0,-9) K2(1,-9) K3(2,-9) K4(3,-9) K5(4,-9) K6(5,-9) K7(6,-9) K8(7,-9) K9(8,-9) K10(9,-9) K11(10,-9) K12(11,-9) K13(12,-9) K14(13,-9) K15(14,-9) K16(15,-9) K17(16,-9) K18(17,-9) K19(18,-9) K20(19,-9) K21(20,-9) K22(21,-9) L1(0,-10) L2(1,-10) L3(2,-10) L4(3,-10) L5(4,-10) L6(5,-10) L7(6,-10) L8(7,-10) L9(8,-10) L10(9,-10) L11(10,-10) L12(11,-10) L13(12,-10) L14(13,-10) L15(14,-10) L16(15,-10) L17(16,-10) L18(17,-10) L19(18,-10) L20(19,-10) L21(20,-10) L22(21,-10) M1(0,-11) M2(1,-11) M3(2,-11) M4(3,-11) M5(4,-11) M6(5,-11) M7(6,-11) M8(7,-11) M9(8,-11) M10(9,-11) M11(10,-11) M12(11,-11) M13(12,-11) M14(13,-11) M15(14,-11) M16(15,-11) M17(16,-11) M18(17,-11) M19(18,-11) M20(19,-11) M21(20,-11) M22(21,-11) N1(0,-12) N2(1,-12) N3(2,-12) N4(3,-12) N5(4,-12) N6(5,-12) N7(6,-12) N8(7,-12) N9(8,-12) N10(9,-12) N11(10,-12) N12(11,-12) N13(12,-12) N14(13,-12) N15(14,-12) N16(15,-12) N17(16,-12) N18(17,-12) N19(18,-12) N20(19,-12) N21(20,-12) N22(21,-12) P1(0,-13) P2(1,-13) P3(2,-13) P4(3,-13) P5(4,-13) P6(5,-13) P7(6,-13) P8(7,-13) P9(8,-13) P10(9,-13) P11(10,-13) P12(11,-13) P13(12,-13) P14(13,-13) P15(14,-13) P16(15,-13) P17(16,-13) P18(17,-13) P19(18,-13) P20(19,-13) P21(20,-13) P22(21,-13) R1(0,-14) R2(1,-14) R3(2,-14) R4(3,-14) R5(4,-14) R6(5,-14) R7(6,-14) R8(7,-14) R9(8,-14) R10(9,-14) R11(10,-14) R12(11,-14) R13(12,-14) R14(13,-14) R15(14,-14) R16(15,-14) R17(16,-14) R18(17,-14) R19(18,-14) R20(19,-14) R21(20,-14) R22(21,-14) T1(0,-15) T2(1,-15) T3(2,-15) T4(3,-15) T5(4,-15) T6(5,-15) T7(6,-15) T8(7,-15) T9(8,-15) T10(9,-15) T11(10,-15) T12(11,-15) T13(12,-15) T14(13,-15) T15(14,-15) T16(15,-15) T17(16,-15) T18(17,-15) T19(18,-15) T20(19,-15) T21(20,-15) T22(21,-15) U1(0,-16) U2(1,-16) U3(2,-16) U4(3,-16) U5(4,-16) U6(5,-16) U7(6,-16) U8(7,-16) U9(8,-16) U10(9,-16) U11(10,-16) U12(11,-16) U13(12,-16) U14(13,-16) U15(14,-16) U16(15,-16) U17(16,-16) U18(17,-16) U19(18,-16) U20(19,-16) U21(20,-16) U22(21,-16) V1(0,-17) V2(1,-17) V3(2,-17) V4(3,-17) V5(4,-17) V6(5,-17) V7(6,-17) V8(7,-17) V9(8,-17) V10(9,-17) V11(10,-17) V12(11,-17) V13(12,-17) V14(13,-17) V15(14,-17) V16(15,-17) V17(16,-17) V18(17,-17) V19(18,-17) V20(19,-17) V21(20,-17) V22(21,-17) W1(0,-18) W2(1,-18) W3(2,-18) W4(3,-18) W5(4,-18) W6(5,-18) W7(6,-18) W8(7,-18) W9(8,-18) W10(9,-18) W11(10,-18) W12(11,-18) W13(12,-18) W14(13,-18) W15(14,-18) W16(15,-18) W17(16,-18) W18(17,-18) W19(18,-18) W20(19,-18) W21(20,-18) W22(21,-18) Y1(0,-19) Y2(1,-19) Y3(2,-19) Y4(3,-19) Y5(4,-19) Y6(5,-19) Y7(6,-19) Y8(7,-19) Y9(8,-19) Y10(9,-19) Y11(10,-19) Y12(11,-19) Y13(12,-19) Y14(13,-19) Y15(14,-19) Y16(15,-19) Y17(16,-19) Y18(17,-19) Y19(18,-19) Y20(19,-19) Y21(20,-19) Y22(21,-19)
